# KiCad board oresat-acs-card.kicad_pcb (continued)
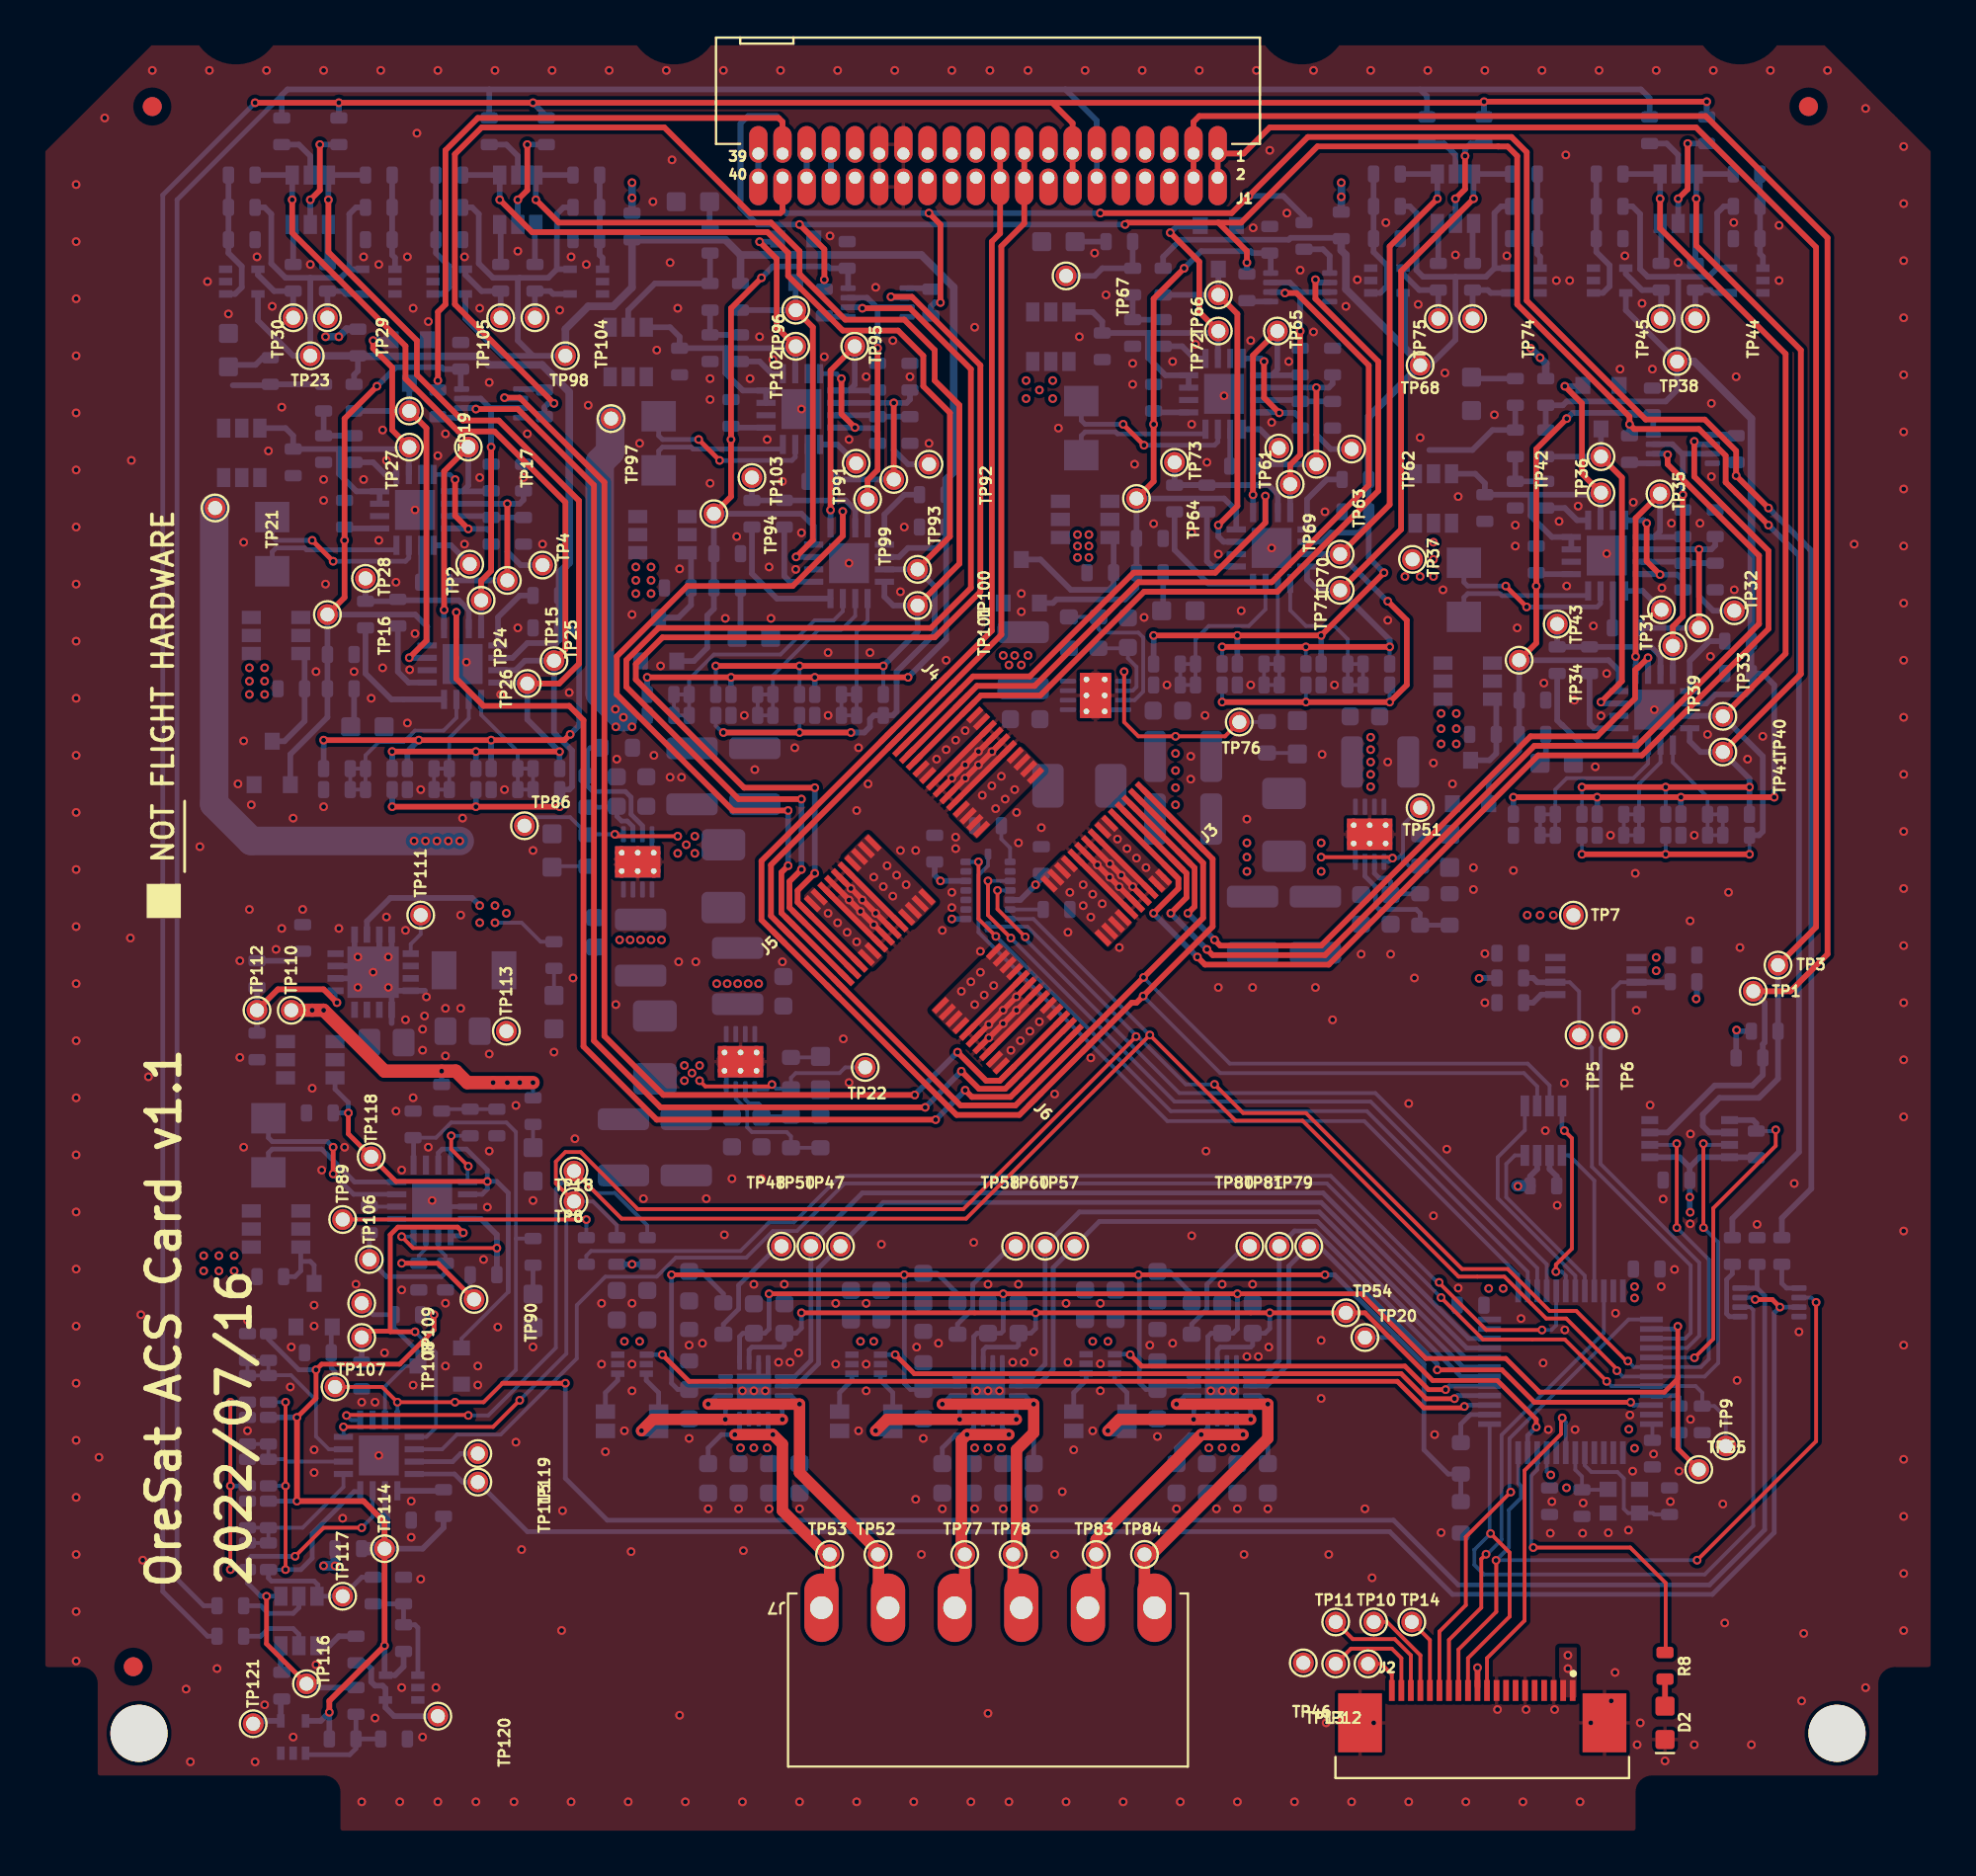
[diagram p0: board, top side]
## Placement (name value [footprint] x y rotation side) (continued)
R250  NP  [.0603-C-NOSILK]  45.8 76.8 270 bottom
R251  0  [.0603-C-NOSILK]  44.1 74 270 bottom
R252  NP  [.0603-C-NOSILK]  45.8 74 90 bottom
R253  10k  [.0603-C-NOSILK]  33.7 77.6 270 bottom
R254  100k  [.0603-C-NOSILK]  35.3 78.3 90 bottom
R255  10k  [.0603-C-NOSILK]  36.9 78.3 90 bottom
R256  10k  [.0603-C-NOSILK]  36.9 81 90 bottom
R257  4.7k  [.0603-C-NOSILK]  36.2 65.7 180 bottom
R258  665k  [.0603-C-NOSILK]  26.1 82 90 bottom
R259  47k  [.0603-C-NOSILK]  39.2 69.6 270 bottom
R260  47k  [.0603-C-NOSILK]  37.5 69.6 270 bottom
R261  330k  [.0603-C-NOSILK]  28.8 87.4 180 bottom
R262  1M  [.0603-C-NOSILK]  28.8 85.7 180 bottom
R263  100  [.0603-C-NOSILK]  26.7 89.7 270 bottom
R264  665k  [.0603-C-NOSILK]  24.3 82 90 bottom
R265  330k  [.0603-C-NOSILK]  21.6 87.4 0 bottom
R266  1M  [.0603-C-NOSILK]  21.6 85.7 0 bottom
R267  4.7k  [.0603-C-NOSILK]  26 30.8 90 bottom
R268  665k  [.0603-C-NOSILK]  16.7 9.9 90 bottom
R269  330k  [.0603-C-NOSILK]  17.6 13 90 bottom
R270  1M  [.0603-C-NOSILK]  19.2 10.5 270 bottom
R271  100  [.0603-C-NOSILK]  10.1 10.6 0 bottom
R272  665k  [.0603-C-NOSILK]  12.8 8 90 bottom
R273  330k  [.0603-C-NOSILK]  16.7 7.2 90 bottom
R274  1M  [.0603-C-NOSILK]  16 5.2 180 bottom
TP1  TEST-POINT-LARGE-SQUARE  [1X01]  90.1 44.5 180 bottom
TP2  TEST-POINT-LARGE-SQUARE  [1X01]  22.68 66.95 270 bottom
TP3  TEST-POINT-LARGE-SQUARE  [1X01]  91.4 45.88 180 bottom
TP4  TEST-POINT-LARGE-SQUARE  [1X01]  26.5 66.9 90 bottom
TP5  TEST-POINT-LARGE-SQUARE  [1X01]  80.95 42.2 90 bottom
TP6  TEST-POINT-LARGE-SQUARE  [1X01]  82.75 42.18 90 bottom
TP7  TEST-POINT-LARGE-SQUARE  [1X01]  80.65 48.5 180 bottom
TP8  TEST-POINT-LARGE-SQUARE  [1X01]  28.15 33.45 180 bottom
TP9  TEST-POINT-LARGE-SQUARE  [1X01]  88.66 20.6 270 bottom
TP10  TEST-POINT-LARGE-SQUARE  [1X01]  70.16 11.35 180 bottom
TP11  TEST-POINT-LARGE-SQUARE  [1X01]  68.16 11.35 180 bottom
TP12  TEST-POINT-LARGE-SQUARE  [1X01]  68.16 9.15 180 bottom
TP13  TEST-POINT-LARGE-SQUARE  [1X01]  69.86 9.15 180 bottom
TP14  TEST-POINT-LARGE-SQUARE  [1X01]  72.16 11.35 180 bottom
TP15  TEST-POINT-LARGE-SQUARE  [1X01]  24.65 66.1 90 bottom
TP16  TEST-POINT-LARGE-SQUARE  [1X01]  15.2 64.3 90 bottom
TP17  TEST-POINT-LARGE-SQUARE  [1X01]  22.6 73.1 270 bottom
TP18  TEST-POINT-LARGE-SQUARE  [1X01]  28.15 35.05 180 bottom
TP19  TEST-POINT-LARGE-SQUARE  [1X01]  19.5 75 90 bottom
TP20  TEST-POINT-LARGE-SQUARE  [1X01]  69.7 26.3 180 bottom
TP21  TEST-POINT-LARGE-SQUARE  [1X01]  9.3 69.9 270 bottom
TP22  TEST-POINT-LARGE-SQUARE  [1X01]  43.45 40.5 180 bottom
TP23  TEST-POINT-LARGE-SQUARE  [1X01]  14.3 77.9 0 bottom
TP24  TEST-POINT-LARGE-SQUARE  [1X01]  23.28 65.05 270 bottom
TP25  TEST-POINT-LARGE-SQUARE  [1X01]  27.1 61.88 90 bottom
TP26  TEST-POINT-LARGE-SQUARE  [1X01]  25.7 60.68 90 bottom
TP27  TEST-POINT-LARGE-SQUARE  [1X01]  19.5 73.1 90 bottom
TP28  TEST-POINT-LARGE-SQUARE  [1X01]  17.2 66.2 90 bottom
TP29  TEST-POINT-LARGE-SQUARE  [1X01]  15.2 79.9 90 bottom
TP30  TEST-POINT-LARGE-SQUARE  [1X01]  13.4 79.9 90 bottom
TP31  TEST-POINT-LARGE-SQUARE  [1X01]  85.28 64.55 270 bottom
TP32  TEST-POINT-LARGE-SQUARE  [1X01]  89.1 64.5 90 bottom
TP33  TEST-POINT-LARGE-SQUARE  [1X01]  87.25 63.6 90 bottom
TP34  TEST-POINT-LARGE-SQUARE  [1X01]  77.8 61.9 270 bottom
TP35  TEST-POINT-LARGE-SQUARE  [1X01]  85.2 70.65 90 bottom
TP36  TEST-POINT-LARGE-SQUARE  [1X01]  82.1 72.6 270 bottom
TP37  TEST-POINT-LARGE-SQUARE  [1X01]  72.2 67.2 270 bottom
TP38  TEST-POINT-LARGE-SQUARE  [1X01]  86.1 77.6 0 bottom
TP39  TEST-POINT-LARGE-SQUARE  [1X01]  85.88 62.65 90 bottom
TP40  TEST-POINT-LARGE-SQUARE  [1X01]  88.5 58.95 270 bottom
TP41  TEST-POINT-LARGE-SQUARE  [1X01]  88.5 57.08 270 bottom
TP42  TEST-POINT-LARGE-SQUARE  [1X01]  82.1 70.7 90 bottom
TP43  TEST-POINT-LARGE-SQUARE  [1X01]  79.8 63.8 270 bottom
TP44  TEST-POINT-LARGE-SQUARE  [1X01]  87.06 79.86 90 bottom
TP45  TEST-POINT-LARGE-SQUARE  [1X01]  85.25 79.86 90 bottom
TP46  TEST-POINT-LARGE-SQUARE  [1X01]  66.46 9.2 180 bottom
TP47  TEST-POINT-LARGE-SQUARE  [1X01]  42.15 31.1 0 bottom
TP48  TEST-POINT-LARGE-SQUARE  [1X01]  39.05 31.1 0 bottom
TP50  TEST-POINT-LARGE-SQUARE  [1X01]  40.6 31.1 0 bottom
TP51  TEST-POINT-LARGE-SQUARE  [1X01]  72.6 54.15 180 bottom
TP52  TEST-POINT-LARGE-SQUARE  [1X01]  44.12 14.9 0 bottom
TP53  TEST-POINT-LARGE-SQUARE  [1X01]  41.58 14.9 0 bottom
TP54  TEST-POINT-LARGE-SQUARE  [1X01]  68.7 27.6 180 bottom
TP55  TEST-POINT-LARGE-SQUARE  [1X01]  87.24 19.36 180 bottom
TP57  TEST-POINT-LARGE-SQUARE  [1X01]  54.45 31.1 0 bottom
TP58  TEST-POINT-LARGE-SQUARE  [1X01]  51.35 31.1 0 bottom
TP60  TEST-POINT-LARGE-SQUARE  [1X01]  52.9 31.1 0 bottom
TP61  TEST-POINT-LARGE-SQUARE  [1X01]  65.18 73.05 90 bottom
TP62  TEST-POINT-LARGE-SQUARE  [1X01]  69 73 90 bottom
TP63  TEST-POINT-LARGE-SQUARE  [1X01]  67.15 72.2 90 bottom
TP64  TEST-POINT-LARGE-SQUARE  [1X01]  57.7 70.4 90 bottom
TP65  TEST-POINT-LARGE-SQUARE  [1X01]  65.1 79.2 90 bottom
TP66  TEST-POINT-LARGE-SQUARE  [1X01]  62 81.1 90 bottom
TP67  TEST-POINT-LARGE-SQUARE  [1X01]  54 82.1 90 bottom
TP68  TEST-POINT-LARGE-SQUARE  [1X01]  72.6 77.4 180 bottom
TP69  TEST-POINT-LARGE-SQUARE  [1X01]  65.78 71.15 90 bottom
TP70  TEST-POINT-LARGE-SQUARE  [1X01]  68.4 67.48 90 bottom
TP71  TEST-POINT-LARGE-SQUARE  [1X01]  68.4 65.58 90 bottom
TP72  TEST-POINT-LARGE-SQUARE  [1X01]  62 79.2 90 bottom
TP73  TEST-POINT-LARGE-SQUARE  [1X01]  59.7 72.3 90 bottom
TP74  TEST-POINT-LARGE-SQUARE  [1X01]  75.36 79.86 90 bottom
TP75  TEST-POINT-LARGE-SQUARE  [1X01]  73.56 79.86 90 bottom
TP76  TEST-POINT-LARGE-SQUARE  [1X01]  63.1 58.65 180 bottom
TP77  TEST-POINT-LARGE-SQUARE  [1X01]  48.68 14.9 0 bottom
TP78  TEST-POINT-LARGE-SQUARE  [1X01]  51.22 14.9 0 bottom
TP79  TEST-POINT-LARGE-SQUARE  [1X01]  66.75 31.1 0 bottom
TP80  TEST-POINT-LARGE-SQUARE  [1X01]  63.65 31.1 0 bottom
TP81  TEST-POINT-LARGE-SQUARE  [1X01]  65.2 31.1 0 bottom
TP83  TEST-POINT-LARGE-SQUARE  [1X01]  55.58 14.9 0 bottom
TP84  TEST-POINT-LARGE-SQUARE  [1X01]  58.12 14.9 0 bottom
TP86  TEST-POINT-LARGE-SQUARE  [1X01]  25.55 53.2 180 bottom
TP89  TEST-POINT-LARGE-SQUARE  [1X01]  16 32.5 270 bottom
TP90  TEST-POINT-LARGE-SQUARE  [1X01]  22.9 28.3 270 bottom
TP91  TEST-POINT-LARGE-SQUARE  [1X01]  42.97 72.25 90 bottom
TP92  TEST-POINT-LARGE-SQUARE  [1X01]  46.8 72.2 90 bottom
TP93  TEST-POINT-LARGE-SQUARE  [1X01]  44.95 71.4 90 bottom
TP94  TEST-POINT-LARGE-SQUARE  [1X01]  35.5 69.6 90 bottom
TP95  TEST-POINT-LARGE-SQUARE  [1X01]  42.9 78.4 90 bottom
TP96  TEST-POINT-LARGE-SQUARE  [1X01]  39.8 80.3 90 bottom
TP97  TEST-POINT-LARGE-SQUARE  [1X01]  30.1 74.6 270 bottom
TP98  TEST-POINT-LARGE-SQUARE  [1X01]  27.7 77.9 180 bottom
TP99  TEST-POINT-LARGE-SQUARE  [1X01]  43.58 70.35 270 bottom
TP100  TEST-POINT-LARGE-SQUARE  [1X01]  46.2 66.68 90 bottom
TP101  TEST-POINT-LARGE-SQUARE  [1X01]  46.2 64.78 90 bottom
TP102  TEST-POINT-LARGE-SQUARE  [1X01]  39.8 78.4 270 bottom
TP103  TEST-POINT-LARGE-SQUARE  [1X01]  37.5 71.5 90 bottom
TP104  TEST-POINT-LARGE-SQUARE  [1X01]  26.1 79.9 270 bottom
TP105  TEST-POINT-LARGE-SQUARE  [1X01]  24.3 79.9 270 bottom
TP106  TEST-POINT-LARGE-SQUARE  [1X01]  17.4 30.4 270 bottom
TP107  TEST-POINT-LARGE-SQUARE  [1X01]  15.6 23.7 180 bottom
TP108  TEST-POINT-LARGE-SQUARE  [1X01]  17 26.3 270 bottom
TP109  TEST-POINT-LARGE-SQUARE  [1X01]  17 28.1 270 bottom
TP110  TEST-POINT-LARGE-SQUARE  [1X01]  13.3 43.5 270 bottom
TP111  TEST-POINT-LARGE-SQUARE  [1X01]  20.1 48.5 90 bottom
TP112  TEST-POINT-LARGE-SQUARE  [1X01]  11.5 43.5 270 bottom
TP113  TEST-POINT-LARGE-SQUARE  [1X01]  24.6 42.4 90 bottom
TP114  TEST-POINT-LARGE-SQUARE  [1X01]  18.2 15.2 270 bottom
TP115  TEST-POINT-LARGE-SQUARE  [1X01]  23.1 18.7 270 bottom
TP116  TEST-POINT-LARGE-SQUARE  [1X01]  14.1 8.1 270 bottom
TP117  TEST-POINT-LARGE-SQUARE  [1X01]  16 12.7 270 bottom
TP118  TEST-POINT-LARGE-SQUARE  [1X01]  17.5 35.8 270 bottom
TP119  TEST-POINT-LARGE-SQUARE  [1X01]  23.1 20.2 270 bottom
TP120  TEST-POINT-LARGE-SQUARE  [1X01]  21 6.4 270 bottom
TP121  TEST-POINT-LARGE-SQUARE  [1X01]  11.3 6 270 bottom
U1  MAX892LEUA+T21-0036K-L  [21-0036K-L]  81.84 45.3 180 bottom
U2  LTC4300A-1  [MS8]  86.76 36.75 90 bottom
U3  STSPIN250  [VQFN-16-1EP_3x3mm_P0.5mm_EP1.8x1.8mm]  37.6 23.5 180 bottom
U4  INA185  [SOT-563]  31.2 24.9 180 bottom
U5  MAX7310ATE  [QFN65P400X400X80-17T210]  22.3 61.7 90 bottom
U6  MAX4211FETE  [QFN65P400X400X80-17T210]  19.8 69.8 0 bottom
U7  MIC842LYC5  [SC70-5]  10.7 81.8 90 bottom
U8  MIC842LYC5  [SC70-5]  17.9 81.8 270 bottom
U9  MAX7310ATE  [QFN65P400X400X80-17T210]  84.9 59.3 90 bottom
U10  MAX4211FETE  [QFN65P400X400X80-17T210]  82.4 67.4 0 bottom
U11  MIC842LYC5  [SC70-5]  82.56 81.86 90 bottom
U12  MIC842LYC5  [SC70-5]  89.75 81.86 270 bottom
U13  BMI088  [PQFN50P450X300X100-16N]  49.9 49.8 270 bottom
U14  TCAN330  [SOT23-8_TI-DCN]  79.08 37.18 180 bottom
U15  -  [STM32F091C]  80.5 24.5 180 bottom
U16  STSPIN250  [VQFN-16-1EP_3x3mm_P0.5mm_EP1.8x1.8mm]  49.9 23.5 180 bottom
U17  MAX7310ATE  [QFN65P400X400X80-17T210]  64.8 67.8 90 bottom
U18  MAX4211FETE  [QFN65P400X400X80-17T210]  62.3 75.9 0 bottom
U19  MIC842LYC5  [SC70-5]  70.86 81.86 90 bottom
U20  MIC842LYC5  [SC70-5]  78.06 81.86 270 bottom
U21  INA185  [SOT-563]  43.5 24.9 180 bottom
U22  STSPIN250  [VQFN-16-1EP_3x3mm_P0.5mm_EP1.8x1.8mm]  62.2 23.5 180 bottom
U23  INA185  [SOT-563]  55.8 24.92 180 bottom
U24  LTC3624  [DFN-8-1EP_3x3mm_P0.5mm_EP1.65x2.38mm_ThermalVias0.3mm]  69.95 52.75 270 bottom
U25  MAX7310ATE  [QFN65P400X400X80-17T210]  42.6 67 90 bottom
U26  MAX4211FETE  [QFN65P400X400X80-17T210]  40.1 75.1 0 bottom
U27  MIC842LYC5  [SC70-5]  21.6 81.8 90 bottom
U28  MIC842LYC5  [SC70-5]  28.8 81.8 270 bottom
U29  MAX7310ATE  [QFN65P400X400X80-17T210]  17.9 20.1 0 bottom
U30  MAX4211FETE  [QFN65P400X400X80-17T210]  20.7 33.5 270 bottom
U31  TPS62111RSA  [S-PVQFN-16]  17.6 45.5 90 bottom
U32  MIC842LYC5  [SC70-5]  13.4 5.3 180 bottom
U33  MIC842LYC5  [SC70-5]  19.1 7.9 270 bottom
U34  LTC3624  [DFN-8-1EP_3x3mm_P0.5mm_EP1.65x2.38mm_ThermalVias0.3mm]  55.55 60.05 0 bottom
U35  LTC3624  [DFN-8-1EP_3x3mm_P0.5mm_EP1.65x2.38mm_ThermalVias0.3mm]  31.5 51.3 90 bottom
U36  LTC3624  [DFN-8-1EP_3x3mm_P0.5mm_EP1.65x2.38mm_ThermalVias0.3mm]  36.9 40.8 270 bottom
U37  TS5A21366DCUR  [DCU-R-PDSO-G8]  44.1 80.7 180 bottom
U38  TS5A21366DCUR  [DCU-R-PDSO-G8]  86.4 73 180 bottom
U39  TS5A21366DCUR  [DCU-R-PDSO-G8]  66.3 81.5 180 bottom
U40  TS5A21366DCUR  [DCU-R-PDSO-G8]  23.8 75.4 180 bottom
U41  TS5A21366DCUR  [DCU-R-PDSO-G8]  90.95 28.15 180 bottom
U$1  FLIGHMARKERNEW  [FLIGHTMARKER_NEW_BOARDS]  7.2 48.6 90 top
X2  16MHZ-2.5x2mm  [CRYSTAL_2.5X2]  83.3 17.7 180 bottom

## Library data of the parts
C64 C75 C79 C82 C97 C98 = -: Description: 47 µF ±20% 16V Ceramic Capacitor X5R 1206 (3216 Metric); MFR: KYOCERA AVX; MPN: 1206YD476MAT2A
D1 D7 D8 D11 = -: Description: Green 525nm LED 3.2V 0603; Distributor: DigiKey; MPN: 150060GS75020
J1 = -: DIST: Digi-Key; DPN: SAM10145-ND; MFR: Samtec; MPN: TFM-120-01-L-D-RA
L1 L2 L4 L5 = -: Description: FIXED IND 3.3UH 7.5A 21.9MOHM SM; MFR: Coilcraft; MPN: XGL4030-332MEC
R15 R16 R25 = -: P/N: WSK1206R0300FEA18
U2 = -: Field4: >Name; Field5: >Value
U15 = -: Field4: >Name
U24 U34-U36 = -: Description: IC REG BUCK 5V 2A 8DFN; MFG: Analog Devices; MPN: LTC3624IDD-5#PBF

## Footprints (pads in the part's own frame, mm; a bottom-side part is the same pattern mirrored in y, then rotated)
1X01
  round 1.1 hole 0.737: 1(0,0)
21-0036K-L
  rect 1.06x0.376 smd: 1(-2.134,0.975) 2(-2.134,0.325) 3(-2.134,-0.325) 4(-2.134,-0.975) 5(2.134,-0.975) 6(2.134,-0.325) 7(2.134,0.325) 8(2.134,0.975)
691243100006
  oval 1.8x3.6 hole 1.2: 1(-8.75,0) 2(-5.25,0) 3(-1.75,0) 4(1.75,0) 5(5.25,0) 6(8.75,0)
.0603-C-NOSILK
  rrect 0.6x0.9 smd: 1(-0.7,0) 2(0.7,0)
.0805-B-NOSILK
  rrect 1.15x1.45 smd: 1(-0.9,0) 2(0.9,0)
C_0603_1608Metric
  rrect 0.9x0.95 smd: 1(-0.775,0) 2(0.775,0)
C_1210_3225Metric
  rrect 1.15x2.7 smd: 1(-1.475,0) 2(1.475,0)
CRYSTAL_2.5X2
  rect 0.9x0.8 smd: 1(-0.825,-0.625) 2(0.825,-0.625) 3(0.825,0.625) 4(-0.825,0.625)
DCU-R-PDSO-G8
  rrect 0.8x0.3 smd: 1(-1.55,0.75) 2(-1.55,0.25) 3(-1.55,-0.25) 4(-1.55,-0.75) 5(1.55,-0.75) 6(1.55,-0.25) 7(1.55,0.25) 8(1.55,0.75)
DFN-8-1EP_3x3mm_P0.5mm_EP1.65x2.38mm_ThermalVias0.3mm
  rrect 0.67x0.96 smd: (-0.41,-0.595) (-0.41,0.595) (0.41,-0.595) (0.41,0.595)
  rrect 0.85x0.25 smd: 1(-1.45,0.75) 2(-1.45,0.25) 3(-1.45,-0.25) 4(-1.45,-0.75) 5(1.45,-0.75) 6(1.45,-0.25) 7(1.45,0.25) 8(1.45,0.75)
  round 0.7 hole 0.3: 9(-0.48,-0.84) 9(-0.48,0) 9(-0.48,0.84) 9(0.48,-0.84) 9(0.48,0) 9(0.48,0.84)
  rect 1.65x2.38 smd far side: 9(0,0)
  rect 1.65x2.38 smd: 9(0,0)
ECS-MPI4040
  rect 2x1.3 smd: 1(0,1.575) 2(0,-1.575)
FIDUCIAL-1.0X2.0
  rrect 1x1 smd: FIDUCIAL(0,0)
J-Molex-555600307
  rect 0.3x1 smd: P$1(-3.5,2) P$2(-3,2) P$3(-2.5,2) P$4(-2,2) P$5(-1.5,2) P$6(-1,2) P$7(-0.5,2) P$8(0,2) P$9(0.5,2) P$10(1,2) P$11(1.5,2) P$12(2,2) P$13(2.5,2) P$14(3,2) P$15(3.5,2) P$16(3.5,-2) P$17(3,-2) P$18(2.5,-2) P$19(2,-2) P$20(1.5,-2) P$21(1,-2) P$22(0.5,-2) P$23(0,-2) P$24(-0.5,-2) P$25(-1,-2) P$26(-1.5,-2) P$27(-2,-2) P$28(-2.5,-2) P$29(-3,-2) P$30(-3.5,-2)
J-SAMTEC-TFM-120-X1-XXX-D-RA
  oval 0.965x1.93 hole 0.635: 1(12.065,0.635) 2(12.065,-0.635) 3(10.795,0.635) 4(10.795,-0.635) 5(9.525,0.635) 6(9.525,-0.635) 7(8.255,0.635) 8(8.255,-0.635) 9(6.985,0.635) 10(6.985,-0.635) 11(5.715,0.635) 12(5.715,-0.635) 13(4.445,0.635) 14(4.445,-0.635) 15(3.175,0.635) 16(3.175,-0.635) 17(1.905,0.635) 18(1.905,-0.635) 19(0.635,0.635) 20(0.635,-0.635) 21(-0.635,0.635) 22(-0.635,-0.635) 23(-1.905,0.635) 24(-1.905,-0.635) 25(-3.175,0.635) 26(-3.175,-0.635) 27(-4.445,0.635) 28(-4.445,-0.635) 29(-5.715,0.635) 30(-5.715,-0.635) 31(-6.985,0.635) 32(-6.985,-0.635) 33(-8.255,0.635) 34(-8.255,-0.635) 35(-9.525,0.635) 36(-9.525,-0.635) 37(-10.795,0.635) 38(-10.795,-0.635) 39(-12.065,0.635) 40(-12.065,-0.635)
J-TE_2-1734592-0
  rect 0.3x1.1 smd: 1(-4.75,-1.7) 2(-4.25,-1.7) 3(-3.75,-1.7) 4(-3.25,-1.7) 5(-2.75,-1.7) 6(-2.25,-1.7) 7(-1.75,-1.7) 8(-1.25,-1.7) 9(-0.75,-1.7) 10(-0.25,-1.7) 11(0.25,-1.7) 12(0.75,-1.7) 13(1.25,-1.7) 14(1.75,-1.7) 15(2.25,-1.7) 16(2.75,-1.7) 17(3.25,-1.7) 18(3.75,-1.7) 19(4.25,-1.7) 20(4.75,-1.7)
  rect 2.3x3.1 smd: PAD1(6.42,0) PAD2(-6.42,0)
L_ECS-MPI4040
  rrect 1.65x2.3 smd: 1(-1.65,0) 2(1.65,0)
LED-0603
  rrect 1x1 smd: A(-0.877,0) C(0.877,0)
MS8
  rect 0.42x0.889 smd: 1(-0.975,-2.095) 2(-0.325,-2.095) 3(0.325,-2.095) 4(0.975,-2.095) 5(0.975,2.095) 6(0.325,2.095) 7(-0.325,2.095) 8(-0.975,2.095)
ORESAT-CARD-V1.3-GENERIC-0RF
  round 3 hole 3 unplated: (5.3,5.5) (94.5,5.5)
PQFN50P450X300X100-16N
  rrect 0.35x0.58 smd: 1(-1.5,1.16) 2(-1,1.16) 3(-0.5,1.16) 4(0,1.16) 5(0.5,1.16) 6(1,1.16) 7(1.5,1.16) 9(1.5,-1.16) 10(1,-1.16) 11(0.5,-1.16) 12(0,-1.16) 13(-0.5,-1.16) 14(-1,-1.16) 15(-1.5,-1.16)
  rrect 0.58x0.35 smd: 8(1.91,0) 16(-1.91,0)
QFN65P400X400X80-17T210
  rect 1.01x0.32 smd: 1(-1.86,0.975) 2(-1.86,0.325) 3(-1.86,-0.325) 4(-1.86,-0.975) 9(1.86,-0.975) 10(1.86,-0.325) 11(1.86,0.325) 12(1.86,0.975)
  rect 0.32x1.01 smd: 5(-0.975,-1.86) 6(-0.325,-1.86) 7(0.325,-1.86) 8(0.975,-1.86) 13(0.975,1.86) 14(0.325,1.86) 15(-0.325,1.86) 16(-0.975,1.86)
  rect 2.1x2.1 smd: EPAD(0,0)
R1206
  rect 1.6x1.803 smd: 1(-1.422,0) 2(1.422,0)
R_0603_1608Metric
  rrect 0.8x0.95 smd: 1(-0.825,0) 2(0.825,0)
S-PVQFN-16
  rect 0.85x0.35 smd: 1(-1.975,0.975) 2(-1.975,0.325) 3(-1.975,-0.325) 4(-1.975,-0.975) 9(1.975,-0.975) 10(1.975,-0.325) 11(1.975,0.325) 12(1.975,0.975)
  rect 0.35x0.85 smd: 5(-0.975,-1.975) 6(-0.325,-1.975) 7(0.325,-1.975) 8(0.975,-1.975) 13(0.975,1.975) 14(0.325,1.975) 15(-0.325,1.975) 16(-0.975,1.975)
  rect 2.7x2.7 smd: PAD(0,0)
SC70-5
  rect 0.4x0.7 smd: 1(-0.65,-0.85) 2(0,-0.85) 3(0.65,-0.85) 4(0.65,0.85) 5(-0.65,0.85)
SOT23
  rect 0.787x0.889 smd: 1(-0.953,-1.143) 2(0.953,-1.143) 3(0,1.143)
SOT23-6
  rect 0.7x1 smd: 1(-0.95,-1.3) 2(0,-1.3) 3(0.95,-1.3) 4(0.95,1.3) 5(0,1.3) 6(-0.95,1.3)
SOT23-8_TI-DCN
  rect 0.45x1.1 smd: 1(-0.975,-1.3) 2(-0.325,-1.3) 3(0.325,-1.3) 4(0.975,-1.3) 5(0.975,1.3) 6(0.325,1.3) 7(-0.325,1.3) 8(-0.975,1.3)
SOT-563
  rect 0.7x0.34 smd: 1(-0.75,0.5) 2(-0.75,0) 3(-0.75,-0.5) 4(0.75,-0.5) 5(0.75,0) 6(0.75,0.5)
STM32F091C
  rect 0.3x1.2 smd: 1(-2.75,-4.25) 2(-2.25,-4.25) 3(-1.75,-4.25) 4(-1.25,-4.25) 5(-0.75,-4.25) 6(-0.25,-4.25) 7(0.25,-4.25) 8(0.75,-4.25) 9(1.25,-4.25) 10(1.75,-4.25) 11(2.25,-4.25) 12(2.75,-4.25) 25(2.75,4.25) 26(2.25,4.25) 27(1.75,4.25) 28(1.25,4.25) 29(0.75,4.25) 30(0.25,4.25) 31(-0.25,4.25) 32(-0.75,4.25) 33(-1.25,4.25) 34(-1.75,4.25) 35(-2.25,4.25) 36(-2.75,4.25)
  rect 1.2x0.3 smd: 13(4.25,-2.75) 14(4.25,-2.25) 15(4.25,-1.75) 16(4.25,-1.25) 17(4.25,-0.75) 18(4.25,-0.25) 19(4.25,0.25) 20(4.25,0.75) 21(4.25,1.25) 22(4.25,1.75) 23(4.25,2.25) 24(4.25,2.75) 37(-4.25,2.75) 38(-4.25,2.25) 39(-4.25,1.75) 40(-4.25,1.25) 41(-4.25,0.75) 42(-4.25,0.25) 43(-4.25,-0.25) 44(-4.25,-0.75) 45(-4.25,-1.25) 46(-4.25,-1.75) 47(-4.25,-2.25) 48(-4.25,-2.75)
VQFN-16-1EP_3x3mm_P0.5mm_EP1.8x1.8mm
  rrect 0.73x0.73 smd: (-0.45,-0.45) (-0.45,0.45) (0.45,-0.45) (0.45,0.45)
  rrect 0.775x0.25 smd: 1(-1.488,0.75) 2(-1.488,0.25) 3(-1.488,-0.25) 4(-1.488,-0.75) 9(1.488,-0.75) 10(1.488,-0.25) 11(1.488,0.25) 12(1.488,0.75)
  rrect 0.25x0.775 smd: 5(-0.75,-1.488) 6(-0.25,-1.488) 7(0.25,-1.488) 8(0.75,-1.488) 13(0.75,1.488) 14(0.25,1.488) 15(-0.25,1.488) 16(-0.75,1.488)
  rect 1.8x1.8 smd: 17(0,0)
WSK1206
  rect 1.016x0.762 smd: 1(-1.397,0.508) 2(-1.397,-0.508) 3(1.397,-0.508) 4(1.397,0.508)

## Nets
3.3V: C1.1 C3.1 C4.1 C16.1 C28.2 C29.2 C37.2 C38.2 C39.2 C41.1 C42.1 C47.1 C51.1 C54.1 C62.1 C63.1 J2.11 L3.2 R1.2 R3.2 R6.1 R10.1 R11.2 R12.2 R13.1 R199.2 TP113.1 U1.1 U1.2 U2.1 U2.8 U4.6 U13.3 U13.7 U13.11 U14.3 U15.1 U15.9 U15.24 U15.36 U15.48 U21.6 U23.6 U31.10
5V_Q1: C64.1 C88.1 C89.1 J3.P$6 J3.P$7 J3.P$24 J3.P$25 L1.2 R26.1 TP51.1 U24.5
5V_Q2: C75.1 C91.1 C92.1 J4.P$6 J4.P$7 J4.P$24 J4.P$25 L2.2 R31.1 TP76.1 U34.5
5V_Q3: C79.1 C94.1 C95.1 J5.P$6 J5.P$7 J5.P$24 J5.P$25 L4.2 R34.1 TP86.1 U35.5
5V_Q4: C82.1 C97.1 C98.1 J6.P$6 J6.P$7 J6.P$24 J6.P$25 L5.2 R37.1 TP22.1 U36.5
GND: C1.2 C2.2 C3.2 C4.2 C5.2 C6.1 C8.2 C9.2 C10.2 C11.1 C13.2 C14.2 C15.2 C16.2 C17.2 C18.2 C19.2 C20.2 C21.1 C23.2 C24.2 C25.2 C26.2 C27.2 C28.1 C29.1 C30.2 C31.1 C33.2 C34.2 C35.2 C36.2 C37.1 C38.1 C39.1 C40.2 C41.2 C42.2 C43.1 C45.2 C46.2 C47.2 C48.2 C49.2 C50.2 C51.2 C52.2 C53.2 C54.2 C55.2 C56.2 C57.2 C58.2 C59.2 C60.2 C61.2 C62.2 C63.2 C64.2 C65.2 C66.2 C67.2 C68.2 C69.2 C70.2 C71.2 C72.2 C73.2 C74.2 C75.2 C76.2 C77.2 C78.2 C79.2 C80.2 C81.2 C82.2 C83.1 C84.1 C85.1 C86.1 C87.2 C88.2 C89.2 C90.2 C91.2 C92.2 C93.2 C94.2 C95.2 C96.2 C97.2 C98.2 C99.1 D1.C D2.C D3.C D4.C D5.C D6.C D7.C D8.C D9.C D10.C D11.C D13.C D14.C D16.C D17.C D18.C J1.27 J1.28 J1.29 J1.30 J2.3 J2.6 J2.9 J2.PAD1 J2.PAD2 J3.P$8 J3.P$9 J3.P$10 J3.P$11 J3.P$20 J3.P$21 J3.P$22 J3.P$23 J4.P$8 J4.P$9 J4.P$10 J4.P$11 J4.P$20 J4.P$21 J4.P$22 J4.P$23 J5.P$8 J5.P$9 J5.P$10 J5.P$11 J5.P$20 J5.P$21 J5.P$22 J5.P$23 J6.P$8 J6.P$9 J6.P$10 J6.P$11 J6.P$20 J6.P$21 J6.P$22 J6.P$23 Q8.2 Q9.2 Q13.2 Q14.2 Q23.2 Q24.2 Q28.2 Q29.2 Q33.2 Q34.2 R2.1 R4.1 R5.1 R7.1 R15.1 R16.1 R18.2 R19.2 R21.1 R24.2 R25.1 R28.2 R30.2 R33.2 R36.2 R43.1 R47.1 R51.1 R56.1 R58.1 R60.1 R62.1 R64.1 R81.1 R85.1 R89.1 R94.1 R96.1 R98.1 R100.1 R102.1 R157.1 R161.1 R165.1 R170.1 R172.1 R174.1 R176.1 R178.1 R203.1 R207.1 R211.1 R216.1 R218.1 R220.1 R222.1 R224.1 R228.1 R233.1 R237.1 R241.1 R246.1 R248.1 R250.1 R252.1 R254.1 TP46.1 U1.4 U2.4 U3.7 U3.15 U3.16 U3.17 U4.2 U4.5 U5.6 U5.EPAD U6.7 U6.EPAD U7.2 U8.2 U9.6 U9.EPAD U10.7 U10.EPAD U11.2 U12.2 U13.4 U13.6 U14.2 U15.8 U15.23 U15.35 U15.47 U16.7 U16.15 U16.16 U16.17 U17.6 U17.EPAD U18.7 U18.EPAD U19.2 U20.2 U21.2 U21.5 U22.7 U22.15 U22.16 U22.17 U23.2 U23.5 U24.8 U24.9 U25.6 U25.EPAD U26.7 U26.EPAD U27.2 U28.2 U29.6 U29.EPAD U30.7 U30.EPAD U31.1 U31.6 U31.7 U31.9 U31.11 U31.12 U31.16 U31.PAD U32.2 U33.2 U34.8 U34.9 U35.8 U35.9 U36.8 U36.9 U37.4 U38.4 U39.4 U40.4 U41.4 X2.2 X2.4
VBUS: J1.23 J1.24 J1.25 J1.26 Q7.4 Q12.4 Q22.4 Q27.4 Q32.4 R55.2 R93.2 R169.2 R215.2 R245.2
VBUSP: C26.1 C44.2 C45.1 C46.1 C52.1 C58.1 C60.1 C70.1 C72.1 J2.1 J2.2 Q26.1 Q26.2 Q26.5 Q26.6 R198.2 R227.2 TP110.1 U3.6 U16.6 U22.6 U31.2 U31.3 U31.4 U31.8
VBUSP_Q1: C12.2 C20.1 C87.1 J3.P$12 J3.P$13 J3.P$14 J3.P$15 J3.P$16 J3.P$17 J3.P$18 J3.P$19 Q11.1 Q11.2 Q11.5 Q11.6 R77.2 TP37.1 U24.2 U24.3
VBUSP_Q2: C22.2 C69.1 C90.1 J4.P$12 J4.P$13 J4.P$14 J4.P$15 J4.P$16 J4.P$17 J4.P$18 J4.P$19 Q21.1 Q21.2 Q21.5 Q21.6 R153.2 TP67.1 U34.2 U34.3
VBUSP_Q3: C32.2 C76.1 C93.1 J5.P$12 J5.P$13 J5.P$14 J5.P$15 J5.P$16 J5.P$17 J5.P$18 J5.P$19 Q31.1 Q31.2 Q31.5 Q31.6 R229.2 TP97.1 U35.2 U35.3
VBUSP_Q4: C7.2 C80.1 C96.1 J6.P$12 J6.P$13 J6.P$14 J6.P$15 J6.P$16 J6.P$17 J6.P$18 J6.P$19 Q6.1 Q6.2 Q6.5 Q6.6 R39.2 TP21.1 U36.2 U36.3
/Q1 Power Domain/AD0_Q1: R79.1 R80.2 R81.2 R82.1 U9.1
/Q1 Power Domain/AD1_Q1: R83.1 R84.2 R85.2 R86.1 U9.2
/Q1 Power Domain/AD2_Q1: R87.1 R88.2 R89.2 R90.1 U9.3
/Q1 Power Domain/CB-RESET_Q1: R96.2 TP35.1 U9.9 U10.9
/Q1 Power Domain/CB_CTRL_Q1: Q11.3 Q14.1 R101.1 TP42.1 U10.3 U10.4 U10.6
/Q1 Power Domain/ON/~{OFF}_Q1: C13.1 C84.2 Q13.1 R94.2 R105.2 TP34.1 U9.8 U10.1 U38.8
/Q1 Power Domain/PEN-SCL-FILT_Q1: Q15.4 R80.1 R84.1 R88.1 R113.2 TP40.1 U9.15
/Q1 Power Domain/PEN-SDA-FILT_Q1: Q15.6 R82.2 R86.2 R90.2 R109.2 TP41.1 U9.16
/Q1 Power Domain/POUT_Q1: TP31.1 U10.13
/Q1 Power Domain/~{FAULT_Q1}: Q14.3 R104.1 TP36.1 U9.7
/Q2 Power Domain/AD0_Q2: R155.1 R156.2 R157.2 R158.1 U17.1
/Q2 Power Domain/AD1_Q2: R159.1 R160.2 R161.2 R162.1 U17.2
/Q2 Power Domain/AD2_Q2: R163.1 R164.2 R165.2 R166.1 U17.3
/Q2 Power Domain/CB-RESET_Q2: R172.2 TP65.1 U17.9 U18.9
/Q2 Power Domain/CB_CTRL_Q2: Q21.3 Q24.1 R177.1 TP72.1 U18.3 U18.4 U18.6
/Q2 Power Domain/ON/~{OFF}_Q2: C23.1 C85.2 Q23.1 R170.2 R181.2 TP64.1 U17.8 U18.1 U39.8
/Q2 Power Domain/PEN-SCL-FILT_Q2: Q25.4 R156.1 R160.1 R164.1 R189.2 TP70.1 U17.15
/Q2 Power Domain/PEN-SDA-FILT_Q2: Q25.6 R158.2 R162.2 R166.2 R185.2 TP71.1 U17.16
/Q2 Power Domain/POUT_Q2: TP61.1 U18.13
/Q2 Power Domain/~{FAULT_Q2}: Q24.3 R180.1 TP66.1 U17.7
/Q3 Power Domain/AD0_Q3: R231.1 R232.2 R233.2 R234.1 U25.1
/Q3 Power Domain/AD1_Q3: R235.1 R236.2 R237.2 R238.1 U25.2
/Q3 Power Domain/AD2_Q3: R239.1 R240.2 R241.2 R242.1 U25.3
/Q3 Power Domain/CB-RESET_Q3: R248.2 TP95.1 U25.9 U26.9
/Q3 Power Domain/CB_CTRL_Q3: Q31.3 Q34.1 R253.1 TP102.1 U26.3 U26.4 U26.6
/Q3 Power Domain/ON/~{OFF}_Q3: C33.1 C83.2 Q33.1 R246.2 R257.2 TP94.1 U25.8 U26.1 U37.8
/Q3 Power Domain/PEN-SCL-FILT_Q3: Q35.4 R232.1 R236.1 R240.1 R265.2 TP100.1 U25.15
/Q3 Power Domain/PEN-SDA-FILT_Q3: Q35.6 R234.2 R238.2 R242.2 R261.2 TP101.1 U25.16
/Q3 Power Domain/POUT_Q3: TP91.1 U26.13
/Q3 Power Domain/~{FAULT_Q3}: Q34.3 R256.1 TP96.1 U25.7
/Q4 Power Domain/AD0_Q4: R41.1 R42.2 R43.2 R44.1 U5.1
/Q4 Power Domain/AD1_Q4: R45.1 R46.2 R47.2 R48.1 U5.2
/Q4 Power Domain/AD2_Q4: R49.1 R50.2 R51.2 R52.1 U5.3
/Q4 Power Domain/CB-RESET_Q4: R58.2 TP17.1 U5.9 U6.9
/Q4 Power Domain/CB_CTRL_Q4: Q6.3 Q9.1 R63.1 TP27.1 U6.3 U6.4 U6.6
/Q4 Power Domain/ON/~{OFF}_Q4: C8.1 C86.2 Q8.1 R56.2 R67.2 TP16.1 U5.8 U6.1 U40.8
/Q4 Power Domain/PEN-SCL-FILT_Q4: Q10.4 R42.1 R46.1 R50.1 R75.2 TP25.1 U5.15
/Q4 Power Domain/PEN-SDA-FILT_Q4: Q10.6 R44.2 R48.2 R52.2 R71.2 TP26.1 U5.16
/Q4 Power Domain/POUT_Q4: TP2.1 U6.13
/Q4 Power Domain/~{FAULT_Q4}: Q9.3 R66.1 TP19.1 U5.7
/Sensor Power Domain/AD0: R201.1 R202.2 R203.2 R204.1 U29.1
/Sensor Power Domain/AD1: R205.1 R206.2 R207.2 R208.1 U29.2
/Sensor Power Domain/AD2: R209.1 R210.2 R211.2 R212.1 U29.3
/Sensor Power Domain/CB-RESET: R218.2 TP108.1 U29.9 U30.9
/Sensor Power Domain/CB_CTRL: Q26.3 Q29.1 R223.1 TP118.1 U30.3 U30.4 U30.6
/Sensor Power Domain/ON/~{OFF}: C48.1 C99.2 Q28.1 R216.2 R267.2 TP107.1 U29.8 U30.1 U41.8
/Sensor Power Domain/PEN-SCL-FILT: Q30.4 R202.1 R206.1 R210.1 R273.2 TP116.1 U29.15
/Sensor Power Domain/PEN-SDA-FILT: Q30.6 R204.2 R208.2 R212.2 R269.2 TP117.1 U29.16
/Sensor Power Domain/~{FAULT}: Q29.3 R226.1 TP109.1 U29.7
BOOT0: R7.2 TP9.1 U15.44 U29.10
BOOT0_Q1: J3.P$3 J3.P$28 U9.10
BOOT0_Q2: J4.P$3 J4.P$28 U17.10
BOOT0_Q3: J5.P$3 J5.P$28 U25.10
BOOT0_Q4: J6.P$3 J6.P$28 U5.10
C3-UART-RX: J1.38 R38.1 R116.1 R118.1 R120.1 R122.1
C3-UART-TX: J1.37 R115.1 R117.1 R119.1 R121.1 R123.1
CAN1_H: J1.33 J1.34
CAN1_L: J1.35 J1.36
CAN2_H: J1.17 J1.18 J3.P$2 J3.P$29 J4.P$2 J4.P$29 J5.P$2 J5.P$29 J6.P$2 J6.P$29 U14.7
CAN2_L: J1.19 J1.20 J3.P$1 J3.P$30 J4.P$1 J4.P$30 J5.P$1 J5.P$30 J6.P$1 J6.P$30 U14.6
CAN_RX: U14.4 U15.32
CAN_SHDN: U14.5 U15.31
CAN_TX: U14.1 U15.33
IMU_INT1: U13.16 U15.25
IMU_INT2: U13.1 U15.26
IMU_INT3: U13.12 U15.28
IMU_INT4: U13.13 U15.27
MAG_READY: R10.2 U2.5 U15.41
MAG_~{EN}: R3.1 TP6.1 U1.3 U15.40
MAG_~{FAULT}: R1.1 TP5.1 U1.6 U15.39
MAGNETOMETER_PWR: C2.1 J1.5 J1.6 TP7.1 U1.7 U1.8
MAGNETOMETER_SCL: J1.3 J1.4 R13.2 TP1.1 U2.3
MAGNETOMETER_SDA: J1.1 J1.2 R6.2 TP3.1 U2.6
MT_EN: R22.1 U15.45
MT_FAULT: C17.1 C66.1 C77.1 R22.2 TP55.1 U3.13 U15.38 U16.13 U22.13
MT_ILIM: R20.2 U15.14
MT_STBY/RST: C18.1 C55.1 C67.1 TP54.1 U3.14 U15.11 U16.14 U22.14
MT_X_ISENSE: U4.1 U15.15
MT_X_OUT_A: C40.1 J7.5 TP52.1 U3.3 U3.10
MT_X_OUT_B: C27.1 J7.6 TP53.1 U3.5 U3.8
MT_X_PHASE: TP50.1 U3.1 U15.22
MT_X_PWM: TP47.1 U3.2 U15.21
MT_Y_ISENSE: U15.16 U21.1
MT_Y_OUT_A: C61.1 J7.3 TP78.1 U16.3 U16.10
MT_Y_OUT_B: C59.1 J7.4 TP77.1 U16.5 U16.8
MT_Y_PHASE: TP60.1 U15.20 U16.1
MT_Y_PWM: TP57.1 U15.19 U16.2
MT_Z_ISENSE: U15.17 U23.1
MT_Z_OUT_A: C73.1 J7.1 TP84.1 U22.3 U22.10
MT_Z_OUT_B: C71.1 J7.2 TP83.1 U22.5 U22.8
MT_Z_PHASE: TP81.1 U15.18 U22.1
MT_Z_PWM: TP79.1 U15.46 U22.2
NRESET: J2.10 U15.7
OPD_PWR: J1.15 J1.16 R40.1 R78.1 R154.1 R200.1 R230.1
OPD_SCL: J1.13 J1.14 R73.1 R111.1 R187.1 R263.1 R271.1
OPD_SDA: J1.11 J1.12 R53.1 R91.1 R167.1 R213.1 R243.1
PA0: R8.2 U15.10
PA2/USART2_TX: J2.13 U15.12 U41.2
PA3/USART2_RX: J2.12 U15.13 U41.6
PA8/POUTPROT: R9.2 U15.29
PA9/CAN_SILENT: U14.8 U15.30
PB6/SCL: R11.1 TP8.1 U2.2 U13.8 U15.42 U29.4
PB6/SCL_Q1: R108.2 U9.4
PB6/SCL_Q2: R184.2 U17.4
PB6/SCL_Q3: R260.2 U25.4
PB6/SCL_Q4: R70.2 U5.4
PB7/SDA: R12.1 TP18.1 U2.7 U13.9 U15.43 U29.5
PB7/SDA_Q1: R107.2 U9.5
PB7/SDA_Q2: R183.2 U17.5
PB7/SDA_Q3: R259.2 U25.5
PB7/SDA_Q4: R69.2 U5.5
POUT: R9.1 TP89.1 U30.13
SPARE7: J1.7
SPARE8: J1.8
SPARE9: J1.9
SPARE10: J1.10
SPARE21: J1.21
SPARE22: J1.22
SPARE31: J1.31
SPARE32: J1.32
SWCLK: J2.15 U15.37
SWDIO: J2.14 U15.34
UART_RX_Q1: J3.P$4 J3.P$27 U38.6
UART_RX_Q2: J4.P$4 J4.P$27 U39.6
UART_RX_Q3: J5.P$4 J5.P$27 U37.6
UART_RX_Q4: J6.P$4 J6.P$27 U40.6
UART_TX_Q1: J3.P$5 J3.P$26 U38.2
UART_TX_Q2: J4.P$5 J4.P$26 U39.2
UART_TX_Q3: J5.P$5 J5.P$26 U37.2
UART_TX_Q4: J6.P$5 J6.P$26 U40.2
VPD: C43.2 R200.2 R201.2 R205.2 R209.2 R214.2 R226.2 R270.2 R274.2 TP114.1 U29.14 U32.5 U33.5
VPD_Q1: C11.2 R78.2 R79.2 R83.2 R87.2 R92.2 R104.2 R110.2 R114.2 TP38.1 U9.14 U11.5 U12.5
VPD_Q2: C21.2 R154.2 R155.2 R159.2 R163.2 R168.2 R180.2 R186.2 R190.2 TP68.1 U17.14 U19.5 U20.5
VPD_Q3: C31.2 R230.2 R231.2 R235.2 R239.2 R244.2 R256.2 R262.2 R266.2 TP98.1 U25.14 U27.5 U28.5
VPD_Q4: C6.2 R40.2 R41.2 R45.2 R49.2 R54.2 R66.2 R72.2 R76.2 TP23.1 U5.14 U7.5 U8.5
~{SD}: J1.39 J1.40
Net-(C5-Pad1): C5.1 C53.1 C65.1 R20.1 R21.2 TP20.1 U3.11 U16.11 U22.11
Net-(C7-Pad1): C7.1 R64.2 R65.2
Net-(C9-Pad1): C9.1 R71.1 R72.1 U8.1
Net-(C10-Pad1): C10.1 R75.1 R76.1 U7.1
Net-(C12-Pad1): C12.1 R102.2 R103.2
Net-(C14-Pad1): C14.1 R109.1 R110.1 U12.1
Net-(C15-Pad1): C15.1 R113.1 R114.1 U11.1
Net-(C19-Pad1): C19.1 R17.2
Net-(C22-Pad1): C22.1 R178.2 R179.2
Net-(C24-Pad1): C24.1 R185.1 R186.1 U20.1
Net-(C25-Pad1): C25.1 R189.1 R190.1 U19.1
Net-(C30-Pad1): C30.1 U15.6 X2.3
Net-(C32-Pad1): C32.1 R254.2 R255.2
Net-(C34-Pad1): C34.1 R261.1 R262.1 U28.1
Net-(C35-Pad1): C35.1 R265.1 R266.1 U27.1
Net-(C36-Pad1): C36.1 U15.5 X2.1
Net-(C44-Pad1): C44.1 R224.2 R225.2
Net-(C49-Pad1): C49.1 R269.1 R270.1 U33.1
Net-(C50-Pad1): C50.1 R273.1 R274.1 U32.1
Net-(C56-Pad1): C56.1 R23.2
Net-(C57-Pad1): C57.1 R14.2 U24.6
Net-(C68-Pad1): C68.1 R29.2
Net-(C74-Pad1): C74.1 R27.1 U34.6
Net-(C78-Pad1): C78.1 R32.1 U35.6
Net-(C81-Pad1): C81.1 R35.1 U36.6
Net-(D1-PadA): D1.A R26.2
Net-(D2-PadA): D2.A R8.1
Net-(D3-PadA): D3.A R39.1
Net-(D4-PadA): D4.A R67.1
Net-(D5-PadA): D5.A R77.1
Net-(D6-PadA): D6.A R105.1
Net-(D7-PadA): D7.A R31.2
Net-(D8-PadA): D8.A R34.2
Net-(D9-PadA): D9.A R153.1
Net-(D10-PadA): D10.A R181.1
Net-(D11-PadA): D11.A R37.2
Net-(D13-PadA): D13.A R229.1
Net-(D14-PadA): D14.A R257.1
Net-(D16-PadA): D16.A R198.1
Net-(D17-PadA): D17.A R199.1
Net-(D18-PadA): D18.A R267.1
Net-(L1-Pad1): L1.1 U24.1
Net-(L2-Pad1): L2.1 U34.1
Net-(L3-Pad1): L3.1 U31.14 U31.15
Net-(L4-Pad1): L4.1 U35.1
Net-(L5-Pad1): L5.1 U36.1
Net-(Q6-Pad4): Q6.4 R57.2 R63.2 U6.15
Net-(Q7-Pad1): Q7.1 Q7.2 Q7.5 Q7.6 R57.1 U6.16
Net-(Q7-Pad3): Q7.3 Q8.3 R55.1
Net-(Q10-Pad1): Q10.1 R68.2
Net-(Q10-Pad2): Q10.2 R73.2
Net-(Q10-Pad3): Q10.3 R74.2
Net-(Q10-Pad5): Q10.5 R53.2
Net-(Q11-Pad4): Q11.4 R95.2 R101.2 U10.15
Net-(Q12-Pad1): Q12.1 Q12.2 Q12.5 Q12.6 R95.1 U10.16
Net-(Q12-Pad3): Q12.3 Q13.3 R93.1
Net-(Q15-Pad1): Q15.1 R106.2
Net-(Q15-Pad2): Q15.2 R111.2
Net-(Q15-Pad3): Q15.3 R112.2
Net-(Q15-Pad5): Q15.5 R91.2
Net-(Q21-Pad4): Q21.4 R171.2 R177.2 U18.15
Net-(Q22-Pad1): Q22.1 Q22.2 Q22.5 Q22.6 R171.1 U18.16
Net-(Q22-Pad3): Q22.3 Q23.3 R169.1
Net-(Q25-Pad1): Q25.1 R182.2
Net-(Q25-Pad2): Q25.2 R187.2
Net-(Q25-Pad3): Q25.3 R188.2
Net-(Q25-Pad5): Q25.5 R167.2
Net-(Q26-Pad4): Q26.4 R217.2 R223.2 U30.15
Net-(Q27-Pad1): Q27.1 Q27.2 Q27.5 Q27.6 R217.1 U30.16
Net-(Q27-Pad3): Q27.3 Q28.3 R215.1
Net-(Q30-Pad1): Q30.1 R268.2
Net-(Q30-Pad2): Q30.2 R271.2
Net-(Q30-Pad3): Q30.3 R272.2
Net-(Q30-Pad5): Q30.5 R213.2
Net-(Q31-Pad4): Q31.4 R247.2 R253.2 U26.15
Net-(Q32-Pad1): Q32.1 Q32.2 Q32.5 Q32.6 R247.1 U26.16
Net-(Q32-Pad3): Q32.3 Q33.3 R245.1
Net-(Q35-Pad1): Q35.1 R258.2
Net-(Q35-Pad2): Q35.2 R263.2
Net-(Q35-Pad3): Q35.3 R264.2
Net-(Q35-Pad5): Q35.5 R243.2
Net-(R2-Pad2): R2.2 U1.5
Net-(R4-Pad2): R4.2 U13.10
Net-(R5-Pad2): R5.2 U13.15
Net-(R14-Pad1): R14.1 R19.1 U24.7
Net-(R15-Pad2): R15.2 U4.4
Net-(R15-Pad3): R15.3 U4.3
Net-(R15-Pad4): R15.4 U3.4 U3.9
Net-(R16-Pad2): R16.2 U21.4
Net-(R16-Pad3): R16.3 U21.3
Net-(R16-Pad4): R16.4 U16.4 U16.9
Net-(R17-Pad1): R17.1 R18.1 TP48.1 U3.12
Net-(R23-Pad1): R23.1 R24.1 TP58.1 U16.12
Net-(R25-Pad2): R25.2 U23.4
Net-(R25-Pad3): R25.3 U23.3
Net-(R25-Pad4): R25.4 U22.4 U22.9
Net-(R27-Pad2): R27.2 R28.1 U34.7
Net-(R29-Pad1): R29.1 R30.1 TP80.1 U22.12
Net-(R32-Pad2): R32.2 R33.1 U35.7
Net-(R35-Pad2): R35.2 R36.1 U36.7
Net-(R38-Pad2): R38.2 U37.1
Net-(R54-Pad1): R54.1 U5.13
Net-(R59-Pad1): R59.1 R60.2 TP15.1 U6.10
Net-(R59-Pad2): R59.2 U6.14
Net-(R61-Pad1): R61.1 R62.2 TP4.1 U6.11
Net-(R61-Pad2): R61.2 U6.8 U6.12
Net-(R65-Pad1): R65.1 U6.5
Net-(R68-Pad1): R68.1 TP29.1 U8.4
Net-(R69-Pad1): R69.1 R70.1 TP28.1 U5.11
Net-(R74-Pad1): R74.1 TP30.1 U7.4
Net-(R92-Pad1): R92.1 U9.13
Net-(R97-Pad1): R97.1 R98.2 TP33.1 U10.10
Net-(R97-Pad2): R97.2 U10.14
Net-(R99-Pad2): R99.2 U10.8 U10.12
Net-(R100-Pad2): R99.1 R100.2 TP32.1 U10.11
Net-(R103-Pad1): R103.1 U10.5
Net-(R106-Pad1): R106.1 TP44.1 U12.4
Net-(R107-Pad1): R107.1 R108.1 TP43.1 U9.11
Net-(R112-Pad1): R112.1 TP45.1 U11.4
Net-(R115-Pad2): R115.2 U37.5
Net-(R116-Pad2): R116.2 U38.1
Net-(R117-Pad2): R117.2 U38.5
Net-(R118-Pad2): R118.2 U39.1
Net-(R119-Pad2): R119.2 U39.5
Net-(R120-Pad2): R120.2 U40.1
Net-(R121-Pad2): R121.2 U40.5
Net-(R122-Pad2): R122.2 U41.1
Net-(R123-Pad2): R123.2 U41.5
Net-(R168-Pad1): R168.1 U17.13
Net-(R173-Pad1): R173.1 R174.2 TP63.1 U18.10
Net-(R173-Pad2): R173.2 U18.14
